# Allegro board C000PD020-3399PRO-DMEB-A-A01.brd (continued)
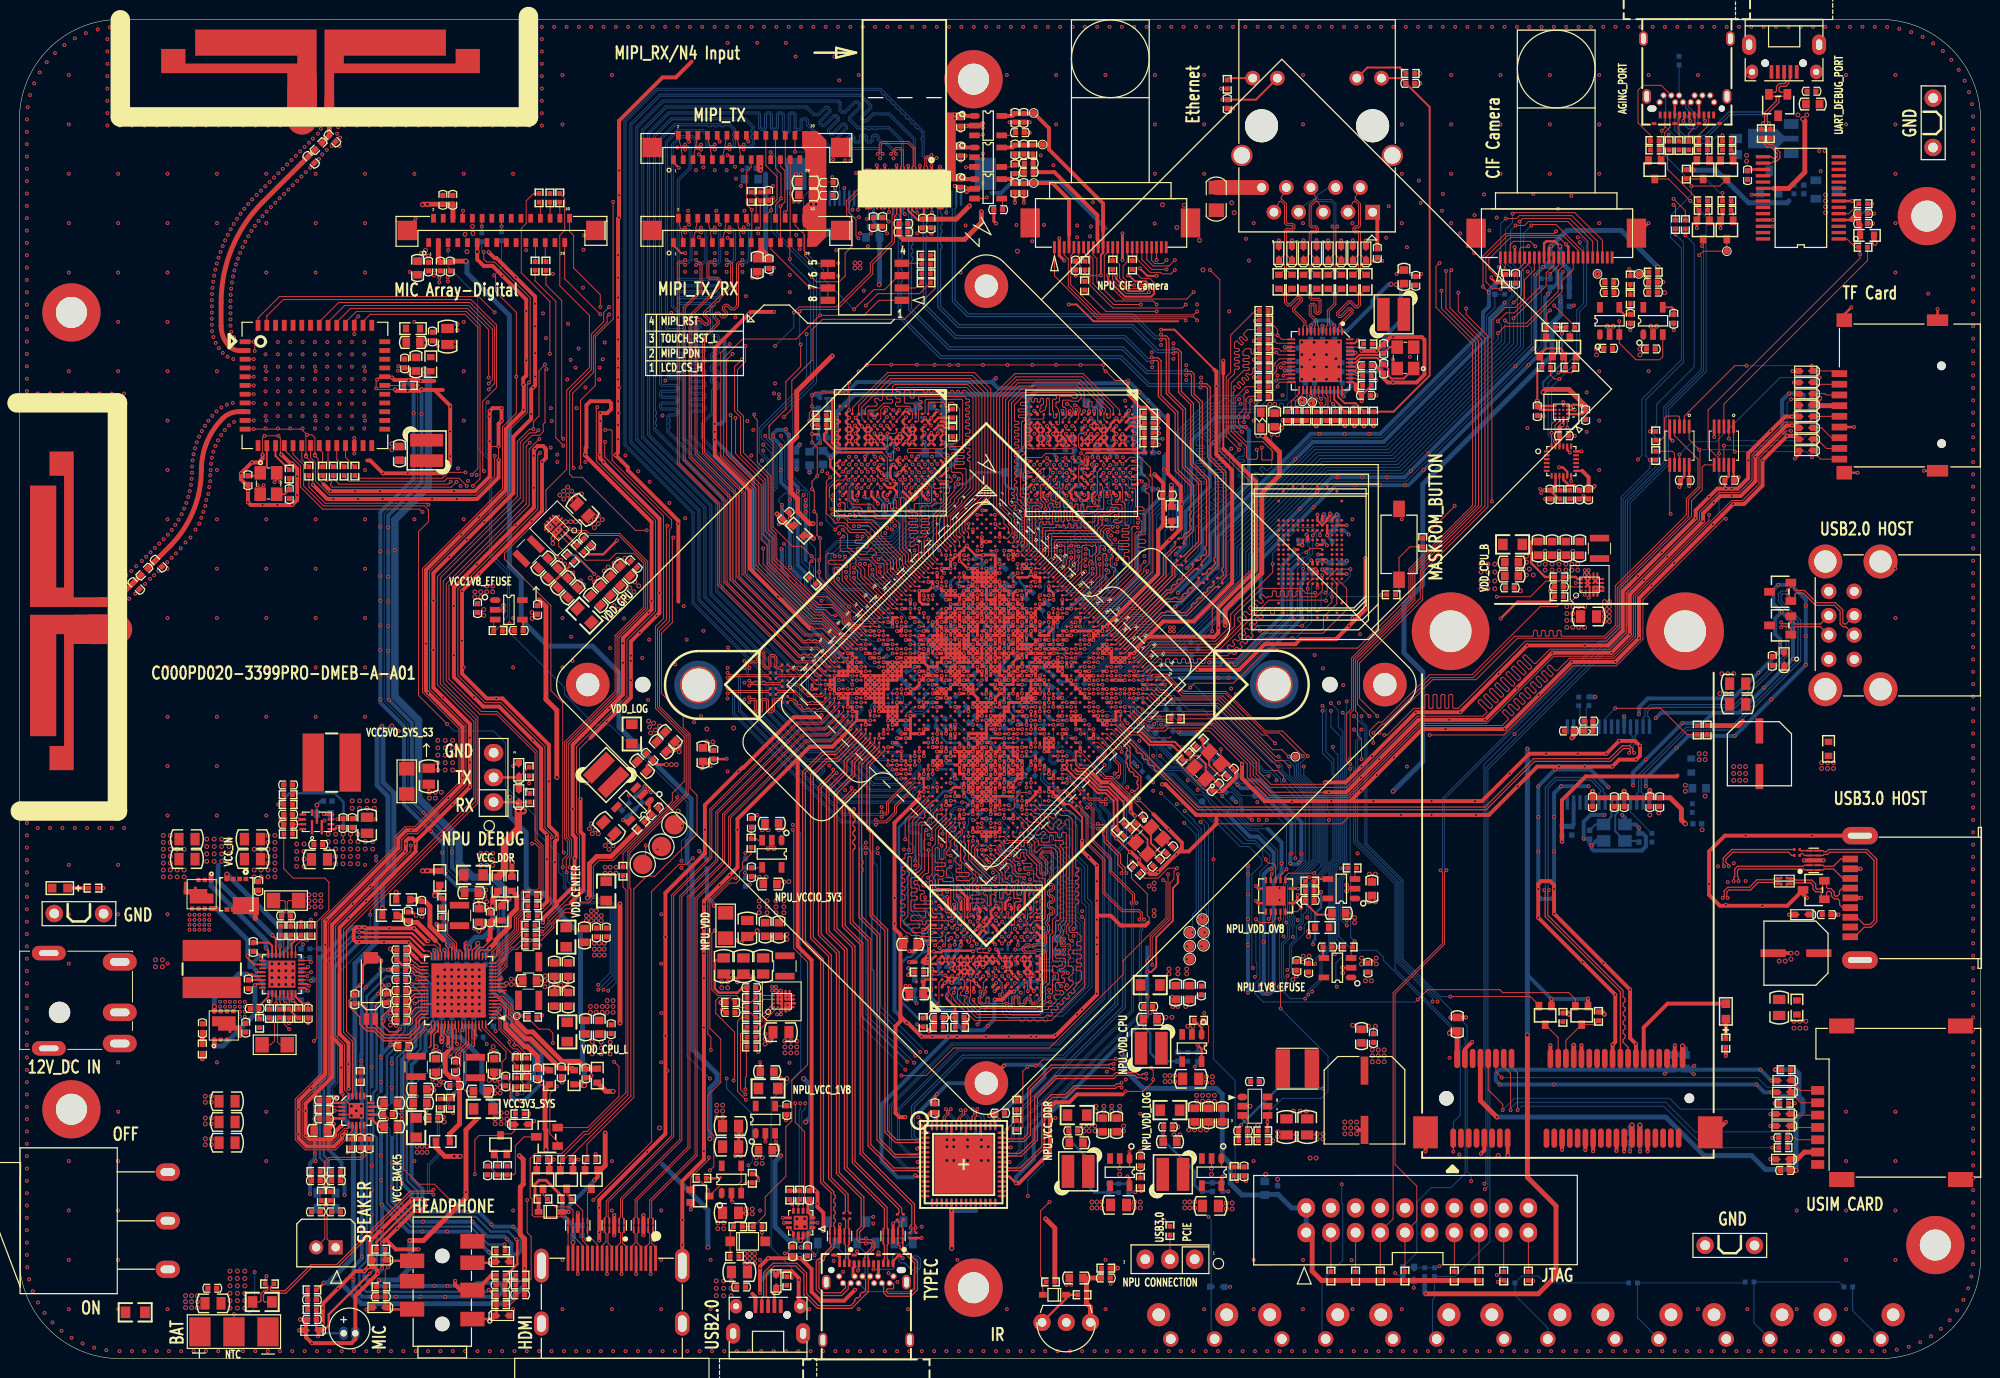
[diagram p0: board, top side]
## Footprints (pads in the part's own frame, mm; a bottom-side part is the same pattern mirrored in y, then rotated) (continued)
  round 0.3 smd: A1(-12.675,-12.675) A2(-12.675,-12.025) A3(-12.675,-11.375) A4(-12.675,-10.725) A5(-12.675,-10.075) A6(-12.675,-9.425) A7(-12.675,-8.775) A8(-12.675,-8.125) A9(-12.675,-7.475) A10(-12.675,-6.825) A11(-12.675,-6.175) A12(-12.675,-5.525) A13(-12.675,-4.875) A14(-12.675,-4.225) A15(-12.675,-3.575) A16(-12.675,-2.925) A17(-12.675,-2.275) A18(-12.675,-1.625) A19(-12.675,-0.975) A20(-12.675,-0.325) A21(-12.675,0.325) A22(-12.675,0.975) A23(-12.675,1.625) A24(-12.675,2.275) A25(-12.675,2.925) A26(-12.675,3.575) A27(-12.675,4.225) A28(-12.675,4.875) A29(-12.675,5.525) A30(-12.675,6.175) A31(-12.675,6.825) A32(-12.675,7.475) A33(-12.675,8.125) A34(-12.675,8.775) A35(-12.675,9.425) A36(-12.675,10.075) A37(-12.675,10.725) A38(-12.675,11.375) A39(-12.675,12.025) A40(-12.675,12.675) AA1(0.325,-12.675) AA2(0.325,-12.025) AA3(0.325,-11.375) AA4(0.325,-10.725) AA5(0.325,-10.075) AA6(0.325,-9.425) AA7(0.325,-8.775) AA8(0.325,-8.125) AA9(0.325,-7.475) AA10(0.325,-6.825) AA11(0.325,-6.175) AA12(0.325,-5.525) AA13(0.325,-4.875) AA14(0.325,-4.225) AA15(0.325,-3.575) AA16(0.325,-2.925) AA17(0.325,-2.275) AA18(0.325,-1.625) AA19(0.325,-0.975) AA20(0.325,-0.325) AA21(0.325,0.325) AA22(0.325,0.975) AA23(0.325,1.625) AA24(0.325,2.275) AA25(0.325,2.925) AA26(0.325,3.575) AA27(0.325,4.225) AA28(0.325,4.875) AA29(0.325,5.525) AA30(0.325,6.175) AA31(0.325,6.825) AA32(0.325,7.475) AA33(0.325,8.125) AA34(0.325,8.775) AA35(0.325,9.425) AA36(0.325,10.075) AA37(0.325,10.725) AA38(0.325,11.375) AA39(0.325,12.025) AA40(0.325,12.675) AB1(0.975,-12.675) AB2(0.975,-12.025) AB8(0.975,-8.125) AB9(0.975,-7.475) AB10(0.975,-6.825) AB11(0.975,-6.175) AB12(0.975,-5.525) AB13(0.975,-4.875) AB14(0.975,-4.225) AB15(0.975,-3.575) AB16(0.975,-2.925) AB17(0.975,-2.275) AB18(0.975,-1.625) AB19(0.975,-0.975) AB20(0.975,-0.325) AB21(0.975,0.325) AB22(0.975,0.975) AB23(0.975,1.625) AB24(0.975,2.275) AB26(0.975,3.575) AB27(0.975,4.225) AB29(0.975,5.525) AB30(0.975,6.175) AB32(0.975,7.475) AB33(0.975,8.125) AB39(0.975,12.025) AB40(0.975,12.675) AC1(1.625,-12.675) AC2(1.625,-12.025) AC3(1.625,-11.375) AC4(1.625,-10.725) AC5(1.625,-10.075) AC6(1.625,-9.425) AC7(1.625,-8.775) AC8(1.625,-8.125) AC9(1.625,-7.475) AC10(1.625,-6.825) AC11(1.625,-6.175) AC12(1.625,-5.525) AC13(1.625,-4.875) AC14(1.625,-4.225) AC15(1.625,-3.575) AC16(1.625,-2.925) AC17(1.625,-2.275) AC18(1.625,-1.625) AC19(1.625,-0.975) AC20(1.625,-0.325) AC21(1.625,0.325) AC22(1.625,0.975) AC23(1.625,1.625) AC24(1.625,2.275) AC25(1.625,2.925) AC26(1.625,3.575) AC27(1.625,4.225) AC28(1.625,4.875) AC29(1.625,5.525) AC30(1.625,6.175) AC31(1.625,6.825) AC32(1.625,7.475) AC33(1.625,8.125) AC34(1.625,8.775) AC35(1.625,9.425) AC36(1.625,10.075) AC37(1.625,10.725) AC38(1.625,11.375) AC39(1.625,12.025) AC40(1.625,12.675) AD1(2.275,-12.675) AD2(2.275,-12.025) AD3(2.275,-11.375) AD4(2.275,-10.725) AD5(2.275,-10.075) AD6(2.275,-9.425) AD7(2.275,-8.775) AD8(2.275,-8.125) AD9(2.275,-7.475) AD10(2.275,-6.825) AD11(2.275,-6.175) AD12(2.275,-5.525) AD13(2.275,-4.875) AD14(2.275,-4.225) AD15(2.275,-3.575) AD16(2.275,-2.925) AD17(2.275,-2.275) AD18(2.275,-1.625) AD19(2.275,-0.975) AD20(2.275,-0.325) AD21(2.275,0.325) AD22(2.275,0.975) AD23(2.275,1.625) AD24(2.275,2.275) AD25(2.275,2.925) AD26(2.275,3.575) AD27(2.275,4.225) AD28(2.275,4.875) AD29(2.275,5.525) AD30(2.275,6.175) AD31(2.275,6.825) AD32(2.275,7.475) AD33(2.275,8.125) AD34(2.275,8.775) AD35(2.275,9.425) AD36(2.275,10.075) AD37(2.275,10.725) AD38(2.275,11.375) AD39(2.275,12.025) AD40(2.275,12.675) AE1(2.925,-12.675) AE2(2.925,-12.025) AE8(2.925,-8.125) AE9(2.925,-7.475) AE11(2.925,-6.175) AE12(2.925,-5.525) AE14(2.925,-4.225) AE15(2.925,-3.575) AE17(2.925,-2.275) AE18(2.925,-1.625) AE20(2.925,-0.325) AE21(2.925,0.325) AE23(2.925,1.625) AE24(2.925,2.275) AE26(2.925,3.575) AE27(2.925,4.225) AE29(2.925,5.525) AE30(2.925,6.175) AE32(2.925,7.475) AE33(2.925,8.125) AE39(2.925,12.025) AE40(2.925,12.675) AF1(3.575,-12.675) AF2(3.575,-12.025) AF3(3.575,-11.375) AF4(3.575,-10.725) AF5(3.575,-10.075) AF6(3.575,-9.425) AF7(3.575,-8.775) AF8(3.575,-8.125) AF9(3.575,-7.475) AF10(3.575,-6.825) AF11(3.575,-6.175) AF12(3.575,-5.525) AF13(3.575,-4.875) AF14(3.575,-4.225) AF15(3.575,-3.575) AF16(3.575,-2.925) AF17(3.575,-2.275) AF18(3.575,-1.625) AF19(3.575,-0.975) AF20(3.575,-0.325) AF21(3.575,0.325) AF22(3.575,0.975) AF23(3.575,1.625) AF24(3.575,2.275) AF25(3.575,2.925) AF26(3.575,3.575) AF27(3.575,4.225) AF28(3.575,4.875) AF29(3.575,5.525) AF30(3.575,6.175) AF31(3.575,6.825) AF32(3.575,7.475) AF33(3.575,8.125) AF34(3.575,8.775) AF35(3.575,9.425) AF36(3.575,10.075) AF37(3.575,10.725) AF38(3.575,11.375) AF39(3.575,12.025) AF40(3.575,12.675) AG1(4.225,-12.675) AG2(4.225,-12.025) AG3(4.225,-11.375) AG4(4.225,-10.725) AG5(4.225,-10.075) AG6(4.225,-9.425) AG7(4.225,-8.775) AG8(4.225,-8.125) AG9(4.225,-7.475) AG10(4.225,-6.825) AG11(4.225,-6.175) AG12(4.225,-5.525) AG13(4.225,-4.875) AG14(4.225,-4.225) AG15(4.225,-3.575) AG16(4.225,-2.925) AG17(4.225,-2.275) AG18(4.225,-1.625) AG19(4.225,-0.975) AG20(4.225,-0.325) AG21(4.225,0.325) AG22(4.225,0.975) AG23(4.225,1.625) AG24(4.225,2.275) AG25(4.225,2.925) AG26(4.225,3.575) AG27(4.225,4.225) AG28(4.225,4.875) AG29(4.225,5.525) AG30(4.225,6.175) AG31(4.225,6.825) AG32(4.225,7.475) AG33(4.225,8.125) AG34(4.225,8.775) AG35(4.225,9.425) AG36(4.225,10.075) AG37(4.225,10.725) AG38(4.225,11.375) AG39(4.225,12.025) AG40(4.225,12.675) AH1(4.875,-12.675) AH2(4.875,-12.025) AH8(4.875,-8.125) AH9(4.875,-7.475) AH11(4.875,-6.175) AH12(4.875,-5.525) AH14(4.875,-4.225) AH15(4.875,-3.575) AH17(4.875,-2.275) AH18(4.875,-1.625) AH20(4.875,-0.325) AH21(4.875,0.325) AH23(4.875,1.625) AH24(4.875,2.275) AH26(4.875,3.575) AH27(4.875,4.225) AH28(4.875,4.875) AH29(4.875,5.525) AH30(4.875,6.175) AH31(4.875,6.825) AH32(4.875,7.475) AH33(4.875,8.125) AH39(4.875,12.025) AH40(4.875,12.675) AJ1(5.525,-12.675) AJ2(5.525,-12.025) AJ3(5.525,-11.375) AJ4(5.525,-10.725) AJ5(5.525,-10.075) AJ6(5.525,-9.425) AJ7(5.525,-8.775) AJ8(5.525,-8.125) AJ9(5.525,-7.475) AJ10(5.525,-6.825) AJ11(5.525,-6.175) AJ12(5.525,-5.525) AJ13(5.525,-4.875) AJ14(5.525,-4.225) AJ15(5.525,-3.575) AJ16(5.525,-2.925) AJ17(5.525,-2.275) AJ18(5.525,-1.625) AJ19(5.525,-0.975) AJ20(5.525,-0.325) AJ21(5.525,0.325) AJ22(5.525,0.975) AJ23(5.525,1.625) AJ24(5.525,2.275) AJ25(5.525,2.925) AJ26(5.525,3.575) AJ27(5.525,4.225) AJ28(5.525,4.875) AJ29(5.525,5.525) AJ30(5.525,6.175) AJ31(5.525,6.825) AJ32(5.525,7.475) AJ33(5.525,8.125) AJ34(5.525,8.775) AJ35(5.525,9.425) AJ36(5.525,10.075) AJ37(5.525,10.725) AJ38(5.525,11.375) AJ39(5.525,12.025) AJ40(5.525,12.675) AK1(6.175,-12.675) AK2(6.175,-12.025) AK3(6.175,-11.375) AK4(6.175,-10.725) AK5(6.175,-10.075) AK6(6.175,-9.425) AK7(6.175,-8.775) AK8(6.175,-8.125) AK9(6.175,-7.475) AK10(6.175,-6.825) AK11(6.175,-6.175) AK12(6.175,-5.525) AK13(6.175,-4.875) AK14(6.175,-4.225) AK15(6.175,-3.575) AK16(6.175,-2.925) AK17(6.175,-2.275) AK18(6.175,-1.625) AK19(6.175,-0.975) AK20(6.175,-0.325) AK21(6.175,0.325) AK22(6.175,0.975) AK23(6.175,1.625) AK24(6.175,2.275) AK25(6.175,2.925) AK26(6.175,3.575) AK27(6.175,4.225) AK28(6.175,4.875) AK29(6.175,5.525) AK30(6.175,6.175) AK31(6.175,6.825) AK32(6.175,7.475) AK33(6.175,8.125) AK34(6.175,8.775) AK35(6.175,9.425) AK36(6.175,10.075) AK37(6.175,10.725) AK38(6.175,11.375) AK39(6.175,12.025) AK40(6.175,12.675) AL1(6.825,-12.675) AL2(6.825,-12.025) AL8(6.825,-8.125) AL9(6.825,-7.475) AL11(6.825,-6.175) AL12(6.825,-5.525) AL14(6.825,-4.225) AL15(6.825,-3.575) AL17(6.825,-2.275) AL18(6.825,-1.625) AL20(6.825,-0.325) AL21(6.825,0.325) AL23(6.825,1.625) AL24(6.825,2.275) AL26(6.825,3.575) AL27(6.825,4.225) AL28(6.825,4.875) AL29(6.825,5.525) AL30(6.825,6.175) AL31(6.825,6.825) AL32(6.825,7.475) AL33(6.825,8.125) AL39(6.825,12.025) AL40(6.825,12.675) AM1(7.475,-12.675) AM2(7.475,-12.025) AM3(7.475,-11.375) AM4(7.475,-10.725) AM5(7.475,-10.075) AM6(7.475,-9.425) AM7(7.475,-8.775) AM8(7.475,-8.125) AM9(7.475,-7.475) AM10(7.475,-6.825) AM11(7.475,-6.175) AM12(7.475,-5.525) AM13(7.475,-4.875) AM14(7.475,-4.225) AM15(7.475,-3.575) AM16(7.475,-2.925) AM17(7.475,-2.275) AM18(7.475,-1.625) AM19(7.475,-0.975) AM20(7.475,-0.325) AM21(7.475,0.325) AM22(7.475,0.975) AM23(7.475,1.625) AM24(7.475,2.275) AM25(7.475,2.925) AM26(7.475,3.575) AM27(7.475,4.225) AM28(7.475,4.875) AM29(7.475,5.525) AM30(7.475,6.175) AM31(7.475,6.825) AM32(7.475,7.475) AM33(7.475,8.125) AM34(7.475,8.775) AM35(7.475,9.425) AM36(7.475,10.075) AM37(7.475,10.725) AM38(7.475,11.375) AM39(7.475,12.025) AM40(7.475,12.675) AN1(8.125,-12.675) AN2(8.125,-12.025) AN3(8.125,-11.375) AN4(8.125,-10.725) AN5(8.125,-10.075) AN6(8.125,-9.425) AN7(8.125,-8.775) AN8(8.125,-8.125) AN9(8.125,-7.475) AN10(8.125,-6.825) AN11(8.125,-6.175) AN12(8.125,-5.525) AN13(8.125,-4.875) AN14(8.125,-4.225) AN15(8.125,-3.575) AN16(8.125,-2.925) AN17(8.125,-2.275) AN18(8.125,-1.625) AN19(8.125,-0.975) AN20(8.125,-0.325) AN21(8.125,0.325) AN22(8.125,0.975) AN23(8.125,1.625) AN24(8.125,2.275) AN25(8.125,2.925) AN26(8.125,3.575) AN27(8.125,4.225) AN28(8.125,4.875) AN29(8.125,5.525) AN30(8.125,6.175) AN31(8.125,6.825) AN32(8.125,7.475) AN33(8.125,8.125) AN34(8.125,8.775) AN35(8.125,9.425) AN36(8.125,10.075) AN37(8.125,10.725) AN38(8.125,11.375) AN39(8.125,12.025) AN40(8.125,12.675) AP1(8.775,-12.675) AP2(8.775,-12.025) AP5(8.775,-10.075) AP6(8.775,-9.425) AP8(8.775,-8.125) AP9(8.775,-7.475) AP11(8.775,-6.175) AP12(8.775,-5.525) AP14(8.775,-4.225) AP15(8.775,-3.575) AP17(8.775,-2.275) AP18(8.775,-1.625) AP20(8.775,-0.325) AP21(8.775,0.325) AP23(8.775,1.625) AP24(8.775,2.275) AP26(8.775,3.575) AP27(8.775,4.225) AP29(8.775,5.525) AP30(8.775,6.175) AP32(8.775,7.475) AP33(8.775,8.125) AP35(8.775,9.425) AP36(8.775,10.075) AP39(8.775,12.025) AP40(8.775,12.675) AR1(9.425,-12.675) AR2(9.425,-12.025) AR3(9.425,-11.375) AR4(9.425,-10.725) AR5(9.425,-10.075) AR7(9.425,-8.775) AR8(9.425,-8.125) AR9(9.425,-7.475) AR11(9.425,-6.175) AR12(9.425,-5.525) AR14(9.425,-4.225) AR15(9.425,-3.575) AR17(9.425,-2.275) AR18(9.425,-1.625) AR20(9.425,-0.325) AR21(9.425,0.325) AR23(9.425,1.625) AR24(9.425,2.275) AR26(9.425,3.575) AR27(9.425,4.225) AR29(9.425,5.525) AR30(9.425,6.175) AR32(9.425,7.475) AR33(9.425,8.125) AR34(9.425,8.775) AR36(9.425,10.075) AR37(9.425,10.725) AR38(9.425,11.375) AR39(9.425,12.025) AR40(9.425,12.675) AT1(10.075,-12.675) AT2(10.075,-12.025) AT3(10.075,-11.375) AT4(10.075,-10.725) AT6(10.075,-9.425) AT7(10.075,-8.775) AT8(10.075,-8.125) AT9(10.075,-7.475) AT11(10.075,-6.175) AT12(10.075,-5.525) AT14(10.075,-4.225) AT15(10.075,-3.575) AT17(10.075,-2.275) AT18(10.075,-1.625) AT20(10.075,-0.325) AT21(10.075,0.325) AT23(10.075,1.625) AT24(10.075,2.275) AT26(10.075,3.575) AT27(10.075,4.225) AT29(10.075,5.525) AT30(10.075,6.175) AT32(10.075,7.475) AT33(10.075,8.125) AT34(10.075,8.775) AT35(10.075,9.425) AT37(10.075,10.725) AT38(10.075,11.375) AT39(10.075,12.025) AT40(10.075,12.675) AU1(10.725,-12.675) AU2(10.725,-12.025) AU3(10.725,-11.375) AU5(10.725,-10.075) AU6(10.725,-9.425) AU8(10.725,-8.125) AU9(10.725,-7.475) AU11(10.725,-6.175) AU12(10.725,-5.525) AU14(10.725,-4.225) AU15(10.725,-3.575) AU17(10.725,-2.275) AU18(10.725,-1.625) AU20(10.725,-0.325) AU21(10.725,0.325) AU23(10.725,1.625) AU24(10.725,2.275) AU26(10.725,3.575) AU27(10.725,4.225) AU29(10.725,5.525) AU30(10.725,6.175) AU32(10.725,7.475) AU33(10.725,8.125) AU35(10.725,9.425) AU36(10.725,10.075) AU38(10.725,11.375) AU39(10.725,12.025) AU40(10.725,12.675) AV1(11.375,-12.675) AV2(11.375,-12.025) AV3(11.375,-11.375) AV4(11.375,-10.725) AV5(11.375,-10.075) AV6(11.375,-9.425) AV8(11.375,-8.125) AV9(11.375,-7.475) AV11(11.375,-6.175) AV12(11.375,-5.525) AV14(11.375,-4.225) AV15(11.375,-3.575) AV17(11.375,-2.275) AV18(11.375,-1.625) AV20(11.375,-0.325) AV21(11.375,0.325) AV23(11.375,1.625) AV24(11.375,2.275) AV26(11.375,3.575) AV27(11.375,4.225) AV29(11.375,5.525) AV30(11.375,6.175) AV32(11.375,7.475) AV33(11.375,8.125) AV35(11.375,9.425) AV36(11.375,10.075) AV37(11.375,10.725) AV38(11.375,11.375) AV39(11.375,12.025) AV40(11.375,12.675) AW1(12.025,-12.675) AW2(12.025,-12.025) AW3(12.025,-11.375) AW4(12.025,-10.725) AW5(12.025,-10.075) AW6(12.025,-9.425) AW7(12.025,-8.775) AW8(12.025,-8.125) AW9(12.025,-7.475) AW10(12.025,-6.825) AW11(12.025,-6.175) AW12(12.025,-5.525) AW13(12.025,-4.875) AW14(12.025,-4.225) AW15(12.025,-3.575) AW16(12.025,-2.925) AW17(12.025,-2.275) AW18(12.025,-1.625) AW19(12.025,-0.975) AW20(12.025,-0.325) AW21(12.025,0.325) AW22(12.025,0.975) AW23(12.025,1.625) AW24(12.025,2.275) AW25(12.025,2.925) AW26(12.025,3.575) AW27(12.025,4.225) AW28(12.025,4.875) AW29(12.025,5.525) AW30(12.025,6.175) AW31(12.025,6.825) AW32(12.025,7.475) AW33(12.025,8.125) AW34(12.025,8.775) AW35(12.025,9.425) AW36(12.025,10.075) AW37(12.025,10.725) AW38(12.025,11.375) AW39(12.025,12.025) AW40(12.025,12.675) AY1(12.675,-12.675) AY2(12.675,-12.025) AY3(12.675,-11.375) AY4(12.675,-10.725) AY5(12.675,-10.075) AY6(12.675,-9.425) AY7(12.675,-8.775) AY8(12.675,-8.125) AY9(12.675,-7.475) AY10(12.675,-6.825) AY11(12.675,-6.175) AY12(12.675,-5.525) AY13(12.675,-4.875) AY14(12.675,-4.225) AY15(12.675,-3.575) AY16(12.675,-2.925) AY17(12.675,-2.275) AY18(12.675,-1.625) AY19(12.675,-0.975) AY20(12.675,-0.325) AY21(12.675,0.325) AY22(12.675,0.975) AY23(12.675,1.625) AY24(12.675,2.275) AY25(12.675,2.925) AY26(12.675,3.575) AY27(12.675,4.225) AY28(12.675,4.875) AY29(12.675,5.525) AY30(12.675,6.175) AY31(12.675,6.825) AY32(12.675,7.475) AY33(12.675,8.125) AY34(12.675,8.775) AY35(12.675,9.425) AY36(12.675,10.075) AY37(12.675,10.725) AY38(12.675,11.375) AY39(12.675,12.025) AY40(12.675,12.675) B1(-12.025,-12.675) B2(-12.025,-12.025) B3(-12.025,-11.375) B4(-12.025,-10.725) B5(-12.025,-10.075) B6(-12.025,-9.425) B7(-12.025,-8.775) B8(-12.025,-8.125) B9(-12.025,-7.475) B10(-12.025,-6.825) B11(-12.025,-6.175) B12(-12.025,-5.525) B13(-12.025,-4.875) B14(-12.025,-4.225) B15(-12.025,-3.575) B16(-12.025,-2.925) B17(-12.025,-2.275) B18(-12.025,-1.625) B19(-12.025,-0.975) B20(-12.025,-0.325) B21(-12.025,0.325) B22(-12.025,0.975) B23(-12.025,1.625) B24(-12.025,2.275) B25(-12.025,2.925) B26(-12.025,3.575) B27(-12.025,4.225) B28(-12.025,4.875) B29(-12.025,5.525) B30(-12.025,6.175) B31(-12.025,6.825) B32(-12.025,7.475) B33(-12.025,8.125) B34(-12.025,8.775) B35(-12.025,9.425) B36(-12.025,10.075) B37(-12.025,10.725) B38(-12.025,11.375) B39(-12.025,12.025) B40(-12.025,12.675) C1(-11.375,-12.675) C2(-11.375,-12.025) C3(-11.375,-11.375) C4(-11.375,-10.725) C5(-11.375,-10.075) C6(-11.375,-9.425) C8(-11.375,-8.125) C9(-11.375,-7.475) C11(-11.375,-6.175) C12(-11.375,-5.525) C14(-11.375,-4.225) C15(-11.375,-3.575) C17(-11.375,-2.275) C18(-11.375,-1.625) C20(-11.375,-0.325) C21(-11.375,0.325) C23(-11.375,1.625) C24(-11.375,2.275) C26(-11.375,3.575) C27(-11.375,4.225) C29(-11.375,5.525) C30(-11.375,6.175) C32(-11.375,7.475) C33(-11.375,8.125) C35(-11.375,9.425) C36(-11.375,10.075) C37(-11.375,10.725) C38(-11.375,11.375) C39(-11.375,12.025) C40(-11.375,12.675) D1(-10.725,-12.675) D2(-10.725,-12.025) D3(-10.725,-11.375) D5(-10.725,-10.075) D6(-10.725,-9.425) D8(-10.725,-8.125) D9(-10.725,-7.475) D11(-10.725,-6.175) D12(-10.725,-5.525) D14(-10.725,-4.225) D15(-10.725,-3.575) D17(-10.725,-2.275) D18(-10.725,-1.625) D20(-10.725,-0.325) D21(-10.725,0.325) D23(-10.725,1.625) D24(-10.725,2.275) D26(-10.725,3.575) D27(-10.725,4.225) D29(-10.725,5.525) D30(-10.725,6.175) D32(-10.725,7.475) D33(-10.725,8.125) D35(-10.725,9.425) D36(-10.725,10.075) D38(-10.725,11.375) D39(-10.725,12.025) D40(-10.725,12.675) E1(-10.075,-12.675) E2(-10.075,-12.025) E3(-10.075,-11.375) E4(-10.075,-10.725) E6(-10.075,-9.425) E7(-10.075,-8.775) E8(-10.075,-8.125) E9(-10.075,-7.475) E11(-10.075,-6.175) E12(-10.075,-5.525) E14(-10.075,-4.225) E15(-10.075,-3.575) E17(-10.075,-2.275) E18(-10.075,-1.625) E20(-10.075,-0.325) E21(-10.075,0.325) E23(-10.075,1.625) E24(-10.075,2.275) E26(-10.075,3.575) E27(-10.075,4.225) E29(-10.075,5.525) E30(-10.075,6.175) E32(-10.075,7.475) E33(-10.075,8.125) E34(-10.075,8.775) E35(-10.075,9.425) E37(-10.075,10.725) E38(-10.075,11.375) E39(-10.075,12.025) E40(-10.075,12.675) F1(-9.425,-12.675) F2(-9.425,-12.025) F3(-9.425,-11.375) F4(-9.425,-10.725) F5(-9.425,-10.075) F7(-9.425,-8.775) F8(-9.425,-8.125) F9(-9.425,-7.475) F11(-9.425,-6.175) F12(-9.425,-5.525) F14(-9.425,-4.225) F15(-9.425,-3.575) F17(-9.425,-2.275) F18(-9.425,-1.625) F20(-9.425,-0.325) F21(-9.425,0.325) F23(-9.425,1.625) F24(-9.425,2.275) F26(-9.425,3.575) F27(-9.425,4.225) F29(-9.425,5.525) F30(-9.425,6.175) F32(-9.425,7.475) F33(-9.425,8.125) F34(-9.425,8.775) F36(-9.425,10.075) F37(-9.425,10.725) F38(-9.425,11.375) F39(-9.425,12.025) F40(-9.425,12.675) G1(-8.775,-12.675) G2(-8.775,-12.025) G5(-8.775,-10.075) G6(-8.775,-9.425) G8(-8.775,-8.125) G9(-8.775,-7.475) G11(-8.775,-6.175) G12(-8.775,-5.525) G14(-8.775,-4.225) G15(-8.775,-3.575) G17(-8.775,-2.275) G18(-8.775,-1.625) G20(-8.775,-0.325) G21(-8.775,0.325) G23(-8.775,1.625) G24(-8.775,2.275) G26(-8.775,3.575) G27(-8.775,4.225) G29(-8.775,5.525) G30(-8.775,6.175) G32(-8.775,7.475) G33(-8.775,8.125) G35(-8.775,9.425) G36(-8.775,10.075) G39(-8.775,12.025) G40(-8.775,12.675) H1(-8.125,-12.675) H2(-8.125,-12.025) H3(-8.125,-11.375) H4(-8.125,-10.725) H5(-8.125,-10.075) H6(-8.125,-9.425) H7(-8.125,-8.775) H9(-8.125,-7.475) H10(-8.125,-6.825) H11(-8.125,-6.175) H12(-8.125,-5.525) H13(-8.125,-4.875) H14(-8.125,-4.225) H15(-8.125,-3.575) H16(-8.125,-2.925) H17(-8.125,-2.275) H18(-8.125,-1.625) H19(-8.125,-0.975) H20(-8.125,-0.325) H21(-8.125,0.325) H22(-8.125,0.975) H23(-8.125,1.625) H24(-8.125,2.275) H25(-8.125,2.925) H26(-8.125,3.575) H27(-8.125,4.225) H28(-8.125,4.875) H29(-8.125,5.525) H30(-8.125,6.175) H31(-8.125,6.825) H32(-8.125,7.475) H33(-8.125,8.125) H34(-8.125,8.775) H35(-8.125,9.425) H36(-8.125,10.075) H37(-8.125,10.725) H38(-8.125,11.375) H39(-8.125,12.025) H40(-8.125,12.675) J1(-7.475,-12.675) J2(-7.475,-12.025) J3(-7.475,-11.375) J4(-7.475,-10.725) J5(-7.475,-10.075) J6(-7.475,-9.425) J7(-7.475,-8.775) J8(-7.475,-8.125) J9(-7.475,-7.475) J10(-7.475,-6.825) J11(-7.475,-6.175) J12(-7.475,-5.525) J13(-7.475,-4.875) J14(-7.475,-4.225) J15(-7.475,-3.575) J16(-7.475,-2.925) J17(-7.475,-2.275) J18(-7.475,-1.625) J19(-7.475,-0.975) J20(-7.475,-0.325) J21(-7.475,0.325) J22(-7.475,0.975) J23(-7.475,1.625) J24(-7.475,2.275) J25(-7.475,2.925) J26(-7.475,3.575) J27(-7.475,4.225) J28(-7.475,4.875) J29(-7.475,5.525) J30(-7.475,6.175) J31(-7.475,6.825) J32(-7.475,7.475) J33(-7.475,8.125) J34(-7.475,8.775) J35(-7.475,9.425) J36(-7.475,10.075) J37(-7.475,10.725) J38(-7.475,11.375) J39(-7.475,12.025) J40(-7.475,12.675) K1(-6.825,-12.675) K2(-6.825,-12.025) K8(-6.825,-8.125) K9(-6.825,-7.475) K10(-6.825,-6.825) K11(-6.825,-6.175) K12(-6.825,-5.525) K13(-6.825,-4.875) K14(-6.825,-4.225) K15(-6.825,-3.575) K16(-6.825,-2.925) K17(-6.825,-2.275) K18(-6.825,-1.625) K19(-6.825,-0.975) K20(-6.825,-0.325) K21(-6.825,0.325) K22(-6.825,0.975) K23(-6.825,1.625) K24(-6.825,2.275) K26(-6.825,3.575) K27(-6.825,4.225) K29(-6.825,5.525) K30(-6.825,6.175) K32(-6.825,7.475) K33(-6.825,8.125) K39(-6.825,12.025) K40(-6.825,12.675) L1(-6.175,-12.675) L2(-6.175,-12.025) L3(-6.175,-11.375) L4(-6.175,-10.725) L5(-6.175,-10.075) L6(-6.175,-9.425) L7(-6.175,-8.775) L8(-6.175,-8.125) L9(-6.175,-7.475) L10(-6.175,-6.825) L11(-6.175,-6.175) L12(-6.175,-5.525) L13(-6.175,-4.875) L14(-6.175,-4.225) L15(-6.175,-3.575) L16(-6.175,-2.925) L17(-6.175,-2.275) L18(-6.175,-1.625) L19(-6.175,-0.975) L20(-6.175,-0.325) L21(-6.175,0.325) L22(-6.175,0.975) L23(-6.175,1.625) L24(-6.175,2.275) L25(-6.175,2.925) L26(-6.175,3.575) L27(-6.175,4.225) L28(-6.175,4.875) L29(-6.175,5.525) L30(-6.175,6.175) L31(-6.175,6.825) L32(-6.175,7.475) L33(-6.175,8.125) L34(-6.175,8.775) L35(-6.175,9.425) L36(-6.175,10.075) L37(-6.175,10.725) L38(-6.175,11.375) L39(-6.175,12.025) L40(-6.175,12.675) M1(-5.525,-12.675) M2(-5.525,-12.025) M3(-5.525,-11.375) M4(-5.525,-10.725) M5(-5.525,-10.075) M6(-5.525,-9.425) M7(-5.525,-8.775) M8(-5.525,-8.125) M9(-5.525,-7.475) M10(-5.525,-6.825) M11(-5.525,-6.175) M12(-5.525,-5.525) M13(-5.525,-4.875) M14(-5.525,-4.225) M15(-5.525,-3.575) M16(-5.525,-2.925) M17(-5.525,-2.275) M18(-5.525,-1.625) M19(-5.525,-0.975) M20(-5.525,-0.325) M21(-5.525,0.325) M22(-5.525,0.975) M23(-5.525,1.625) M24(-5.525,2.275) M25(-5.525,2.925) M26(-5.525,3.575) M27(-5.525,4.225) M28(-5.525,4.875) M29(-5.525,5.525) M30(-5.525,6.175) M31(-5.525,6.825) M32(-5.525,7.475) M33(-5.525,8.125) M34(-5.525,8.775) M35(-5.525,9.425) M36(-5.525,10.075) M37(-5.525,10.725) M38(-5.525,11.375) M39(-5.525,12.025) M40(-5.525,12.675) N1(-4.875,-12.675) N2(-4.875,-12.025) N8(-4.875,-8.125) N9(-4.875,-7.475) N10(-4.875,-6.825) N11(-4.875,-6.175) N12(-4.875,-5.525) N13(-4.875,-4.875) N14(-4.875,-4.225) N15(-4.875,-3.575) N16(-4.875,-2.925) N17(-4.875,-2.275) N18(-4.875,-1.625) N19(-4.875,-0.975) N20(-4.875,-0.325) N21(-4.875,0.325) N22(-4.875,0.975) N23(-4.875,1.625) N24(-4.875,2.275) N26(-4.875,3.575) N27(-4.875,4.225) N29(-4.875,5.525) N30(-4.875,6.175) N32(-4.875,7.475) N33(-4.875,8.125) N39(-4.875,12.025) N40(-4.875,12.675) P1(-4.225,-12.675) P2(-4.225,-12.025) P3(-4.225,-11.375) P4(-4.225,-10.725) P5(-4.225,-10.075) P6(-4.225,-9.425) P7(-4.225,-8.775) P8(-4.225,-8.125) P9(-4.225,-7.475) P10(-4.225,-6.825) P11(-4.225,-6.175) P12(-4.225,-5.525) P13(-4.225,-4.875) P14(-4.225,-4.225) P15(-4.225,-3.575) P16(-4.225,-2.925) P17(-4.225,-2.275) P18(-4.225,-1.625) P19(-4.225,-0.975) P20(-4.225,-0.325) P21(-4.225,0.325) P22(-4.225,0.975) P23(-4.225,1.625) P24(-4.225,2.275) P25(-4.225,2.925) P26(-4.225,3.575) P27(-4.225,4.225) P28(-4.225,4.875) P29(-4.225,5.525) P30(-4.225,6.175) P31(-4.225,6.825) P32(-4.225,7.475) P33(-4.225,8.125) P34(-4.225,8.775) P35(-4.225,9.425) P36(-4.225,10.075) P37(-4.225,10.725) P38(-4.225,11.375) P39(-4.225,12.025) P40(-4.225,12.675) R1(-3.575,-12.675) R2(-3.575,-12.025) R3(-3.575,-11.375) R4(-3.575,-10.725) R5(-3.575,-10.075) R6(-3.575,-9.425) R7(-3.575,-8.775) R8(-3.575,-8.125) R9(-3.575,-7.475) R10(-3.575,-6.825) R11(-3.575,-6.175) R12(-3.575,-5.525) R13(-3.575,-4.875) R14(-3.575,-4.225) R15(-3.575,-3.575) R16(-3.575,-2.925) R17(-3.575,-2.275) R18(-3.575,-1.625) R19(-3.575,-0.975) R20(-3.575,-0.325) R21(-3.575,0.325) R22(-3.575,0.975) R23(-3.575,1.625) R24(-3.575,2.275) R25(-3.575,2.925) R26(-3.575,3.575) R27(-3.575,4.225) R28(-3.575,4.875) R29(-3.575,5.525) R30(-3.575,6.175) R31(-3.575,6.825) R32(-3.575,7.475) R33(-3.575,8.125) R34(-3.575,8.775) R35(-3.575,9.425) R36(-3.575,10.075) R37(-3.575,10.725) R38(-3.575,11.375) R39(-3.575,12.025) R40(-3.575,12.675) T1(-2.925,-12.675) T2(-2.925,-12.025) T8(-2.925,-8.125) T9(-2.925,-7.475) T10(-2.925,-6.825) T11(-2.925,-6.175) T12(-2.925,-5.525) T13(-2.925,-4.875) T14(-2.925,-4.225) T15(-2.925,-3.575) T16(-2.925,-2.925) T17(-2.925,-2.275) T18(-2.925,-1.625) T19(-2.925,-0.975) T20(-2.925,-0.325) T21(-2.925,0.325) T22(-2.925,0.975) T23(-2.925,1.625) T24(-2.925,2.275) T26(-2.925,3.575) T27(-2.925,4.225) T29(-2.925,5.525) T30(-2.925,6.175) T32(-2.925,7.475) T33(-2.925,8.125) T39(-2.925,12.025) T40(-2.925,12.675) U1(-2.275,-12.675) U2(-2.275,-12.025) U3(-2.275,-11.375) U4(-2.275,-10.725) U5(-2.275,-10.075) U6(-2.275,-9.425) U7(-2.275,-8.775) U8(-2.275,-8.125) U9(-2.275,-7.475) U10(-2.275,-6.825) U11(-2.275,-6.175) U12(-2.275,-5.525) U13(-2.275,-4.875) U14(-2.275,-4.225) U15(-2.275,-3.575) U16(-2.275,-2.925) U17(-2.275,-2.275) U18(-2.275,-1.625) U19(-2.275,-0.975) U20(-2.275,-0.325) U21(-2.275,0.325) U22(-2.275,0.975) U23(-2.275,1.625) U24(-2.275,2.275) U25(-2.275,2.925) U26(-2.275,3.575) U27(-2.275,4.225) U28(-2.275,4.875) U29(-2.275,5.525) U30(-2.275,6.175) U31(-2.275,6.825) U32(-2.275,7.475) U33(-2.275,8.125) U34(-2.275,8.775) U35(-2.275,9.425) U36(-2.275,10.075) U37(-2.275,10.725) U38(-2.275,11.375) U39(-2.275,12.025) U40(-2.275,12.675) V1(-1.625,-12.675) V2(-1.625,-12.025) V3(-1.625,-11.375) V4(-1.625,-10.725) V5(-1.625,-10.075) V6(-1.625,-9.425) V7(-1.625,-8.775) V8(-1.625,-8.125) V9(-1.625,-7.475) V10(-1.625,-6.825) V11(-1.625,-6.175) V12(-1.625,-5.525) V13(-1.625,-4.875) V14(-1.625,-4.225) V15(-1.625,-3.575) V16(-1.625,-2.925) V17(-1.625,-2.275) V18(-1.625,-1.625) V19(-1.625,-0.975) V20(-1.625,-0.325) V21(-1.625,0.325) V22(-1.625,0.975) V23(-1.625,1.625) V24(-1.625,2.275) V25(-1.625,2.925) V26(-1.625,3.575) V27(-1.625,4.225) V28(-1.625,4.875) V29(-1.625,5.525) V30(-1.625,6.175) V31(-1.625,6.825) V32(-1.625,7.475) V33(-1.625,8.125) V34(-1.625,8.775) V35(-1.625,9.425) V36(-1.625,10.075) V37(-1.625,10.725) V38(-1.625,11.375) V39(-1.625,12.025) V40(-1.625,12.675) W1(-0.975,-12.675) W2(-0.975,-12.025) W8(-0.975,-8.125) W9(-0.975,-7.475) W10(-0.975,-6.825) W11(-0.975,-6.175) W12(-0.975,-5.525) W13(-0.975,-4.875) W14(-0.975,-4.225) W15(-0.975,-3.575) W16(-0.975,-2.925) W17(-0.975,-2.275) W18(-0.975,-1.625) W19(-0.975,-0.975) W20(-0.975,-0.325) W21(-0.975,0.325) W22(-0.975,0.975) W23(-0.975,1.625) W24(-0.975,2.275) W26(-0.975,3.575) W27(-0.975,4.225) W29(-0.975,5.525) W30(-0.975,6.175) W32(-0.975,7.475) W33(-0.975,8.125) W39(-0.975,12.025) W40(-0.975,12.675) Y1(-0.325,-12.675) Y2(-0.325,-12.025) Y3(-0.325,-11.375) Y4(-0.325,-10.725) Y5(-0.325,-10.075) Y6(-0.325,-9.425) Y7(-0.325,-8.775) Y8(-0.325,-8.125) Y9(-0.325,-7.475) Y10(-0.325,-6.825) Y11(-0.325,-6.175) Y12(-0.325,-5.525) Y13(-0.325,-4.875) Y14(-0.325,-4.225) Y15(-0.325,-3.575) Y16(-0.325,-2.925) Y17(-0.325,-2.275) Y18(-0.325,-1.625) Y19(-0.325,-0.975) Y20(-0.325,-0.325) Y21(-0.325,0.325) Y22(-0.325,0.975) Y23(-0.325,1.625) Y24(-0.325,2.275) Y25(-0.325,2.925) Y26(-0.325,3.575) Y27(-0.325,4.225) Y28(-0.325,4.875) Y29(-0.325,5.525) Y30(-0.325,6.175) Y31(-0.325,6.825) Y32(-0.325,7.475) Y33(-0.325,8.125) Y34(-0.325,8.775) Y35(-0.325,9.425) Y36(-0.325,10.075) Y37(-0.325,10.725) Y38(-0.325,11.375) Y39(-0.325,12.025) Y40(-0.325,12.675)
C0201
  rect 0.249x0.3 smd: 1(-0.274,0) 2(0.274,0)
C0402
  rect 0.551x0.551 smd: 1(-0.45,0) 2(0.45,0)
C0603
  rect 0.8x0.899 smd: 1(-0.701,0) 2(0.701,0)
C0805
  rect 0.95x1.3 smd: 1(-0.825,0) 2(0.825,0)
C1206
  rect 1.4x1.6 smd: 1(-1.168,0) 2(1.168,0)
CNN30_1R00_FP05SL_V
  rect 0.5x0.899 smd: 1(-7.5,-1.25) 2(-7,1.25) 3(-6.5,-1.25) 4(-6,1.25) 5(-5.5,-1.25) 6(-5,1.25) 7(-4.5,-1.25) 8(-4,1.25) 9(-3.5,-1.25) 10(-3,1.25) 11(-2.5,-1.25) 12(-2,1.25) 13(-1.5,-1.25) 14(-1,1.25) 15(-0.5,-1.25) 16(0,1.25) 17(0.5,-1.25) 18(1,1.25) 19(1.5,-1.25) 20(2,1.25) 21(2.5,-1.25) 22(3,1.25) 23(3.5,-1.25) 24(4,1.25) 25(4.5,-1.25) 26(5,1.25) 27(5.5,-1.25) 28(6,1.25) 29(6.5,-1.25) 30(7,1.25)
  rect 1.999x1.999 smd: 31(-9.7,0) 32(9.7,0)
CON2_1X2_5R08_DIP
  round 1.801 hole 1.001: 1(0,0) 2(5.08,-0.016)
CON2M_1X2_2R00_V_P_DIP
  rect 1.45x1.45 hole 0.851: 1(0,0)
  round 1.45 hole 0.851: 2(2,0)
CON3M_1X3_2R54_V_DIP
  oval 1.801x1.999 hole 1.001: 1(0,0) 2(2.54,0) 3(5.08,0)
CON30M_2X15_0R40_V_SMT
  rect 0.231x0.919 smd: 1(2.8,1.64) 2(2.4,1.64) 3(2,1.64) 4(1.6,1.64) 5(1.2,1.64) 6(0.8,1.64) 7(0.4,1.64) 8(0,1.64) 9(-0.4,1.64) 10(-0.8,1.64) 11(-1.2,1.64) 12(-1.6,1.64) 13(-2,1.64) 14(-2.4,1.64) 15(-2.8,1.64) 16(-2.8,-1.64) 17(-2.4,-1.64) 18(-2,-1.64) 19(-1.6,-1.64) 20(-1.2,-1.64) 21(-0.8,-1.64) 22(-0.4,-1.64) 23(0,-1.64) 24(0.4,-1.64) 25(0.8,-1.64) 26(1.2,-1.64) 27(1.6,-1.64) 28(2,-1.64) 29(2.4,-1.64) 30(2.8,-1.64)
  rect 0.701x1.199 smd: 31(3.7,1.5) 32(3.7,-1.5) 33(-3.7,-1.5) 34(-3.7,1.5)
CRY2_6R90X1R40X1R30
  rect 1.199x0.599 smd: 1(-3.449,-0.46) 2(-3.449,0.439)
  rect 1.199x1.501 smd: 3(2.85,0)
CRY4_3R20X2R50X0R80
  rect 1.4x1.199 smd: 1(-1.1,-0.85) 2(1.1,-0.85) 3(1.1,0.85) 4(-1.1,0.85)
DC3_DC_0007_5P
  round 2.2 hole 2.2 unplated: (4.1,0)
  oval 3.5x1.801 hole 1.999x0.8: 1(10.3,-3.2) 2(10.3,0) 3(10.3,5.2)
  oval 3.5x1.501 hole 1.999x0.599: 4(3,6.1) 5(3,-3.7)
DFN9L_3R00X3R00X0R80
  rect 0.45x0.45 smd: 1(-1.47,0.975) 2(-1.47,0.325) 3(-1.47,-0.325) 5(1.47,-0.975) 6(1.47,-0.325) 7(1.47,0.325) 8(1.47,0.975)
  custom 1.311x2.449 smd: 4(-0.635,-0.635)
  rect 1.036x2.45 smd: 9(0.435,0)
E_C6
  rect 0.8x2.6 smd: 1(0,-2.35) 2(0,2.35)
E_E7
  rect 2.9x0.8 smd: 1(-3.05,0) 2(3.05,0)
ESD0402
  custom 0.869x0.638 smd: 1(-0.635,-0.02)
  custom 0.859x0.638 smd: 2(0.622,0)
FBGA178_13R00X11R50X1R20
  round 0.3 smd: A1(-4.801,5.199) A2(-4,5.199) A3(-3.2,5.199) A4(-2.4,5.199) A5(-1.6,5.199) A6(-0.8,5.199) A8(0.8,5.199) A9(1.6,5.199) A10(2.4,5.199) A11(3.2,5.199) A12(4,5.199) A13(4.801,5.199) B1(-4.801,4.549) B2(-4,4.549) B3(-3.2,4.549) B4(-2.4,4.549) B5(-1.6,4.549) B6(-0.8,4.549) B8(0.8,4.549) B9(1.6,4.549) B10(2.4,4.549) B11(3.2,4.549) B12(4,4.549) B13(4.801,4.549) C2(-4,3.899) C3(-3.2,3.899) C4(-2.4,3.899) C5(-1.6,3.899) C6(-0.8,3.899) C8(0.8,3.899) C9(1.6,3.899) C10(2.4,3.899) C11(3.2,3.899) C12(4,3.899) D2(-4,3.251) D3(-3.2,3.251) D4(-2.4,3.251) D5(-1.6,3.251) D6(-0.8,3.251) D8(0.8,3.251) D9(1.6,3.251) D10(2.4,3.251) D11(3.2,3.251) D12(4,3.251) E2(-4,2.601) E3(-3.2,2.601) E4(-2.4,2.601) E5(-1.6,2.601) E6(-0.8,2.601) E8(0.8,2.601) E9(1.6,2.601) E10(2.4,2.601) E11(3.2,2.601) E12(4,2.601) F2(-4,1.951) F3(-3.2,1.951) F4(-2.4,1.951) F5(-1.6,1.951) F6(-0.8,1.951) F8(0.8,1.951) F9(1.6,1.951) F10(2.4,1.951) F11(3.2,1.951) F12(4,1.951) G2(-4,1.3) G3(-3.2,1.3) G4(-2.4,1.3) G5(-1.6,1.3) G6(-0.8,1.3) G8(0.8,1.3) G9(1.6,1.3) G10(2.4,1.3) G11(3.2,1.3) G12(4,1.3) H2(-4,0.65) H3(-3.2,0.65) H4(-2.4,0.65) H5(-1.6,0.65) H6(-0.8,0.65) H8(0.8,0.65) H9(1.6,0.65) H10(2.4,0.65) H11(3.2,0.65) H12(4,0.65) J2(-4,0) J3(-3.2,0) J4(-2.4,0) J5(-1.6,0) J6(-0.8,0) J8(0.8,0) J9(1.6,0) J10(2.4,0) J11(3.2,0) J12(4,0) K2(-4,-0.65) K3(-3.2,-0.65) K4(-2.4,-0.65) K5(-1.6,-0.65) K6(-0.8,-0.65) K8(0.8,-0.65) K9(1.6,-0.65) K10(2.4,-0.65) K11(3.2,-0.65) K12(4,-0.65) L2(-4,-1.3) L3(-3.2,-1.3) L4(-2.4,-1.3) L5(-1.6,-1.3) L6(-0.8,-1.3) L8(0.8,-1.3) L9(1.6,-1.3) L10(2.4,-1.3) L11(3.2,-1.3) L12(4,-1.3) M2(-4,-1.951) M3(-3.2,-1.951) M4(-2.4,-1.951) M5(-1.6,-1.951) M6(-0.8,-1.951) M8(0.8,-1.951) M9(1.6,-1.951) M10(2.4,-1.951) M11(3.2,-1.951) M12(4,-1.951) N2(-4,-2.601) N3(-3.2,-2.601) N4(-2.4,-2.601) N5(-1.6,-2.601) N6(-0.8,-2.601) N8(0.8,-2.601) N9(1.6,-2.601) N10(2.4,-2.601) N11(3.2,-2.601) N12(4,-2.601) P2(-4,-3.251) P3(-3.2,-3.251) P4(-2.4,-3.251) P5(-1.6,-3.251) P6(-0.8,-3.251) P8(0.8,-3.251) P9(1.6,-3.251) P10(2.4,-3.251) P11(3.2,-3.251) P12(4,-3.251) R2(-4,-3.899) R3(-3.2,-3.899) R4(-2.4,-3.899) R5(-1.6,-3.899) R6(-0.8,-3.899) R8(0.8,-3.899) R9(1.6,-3.899) R10(2.4,-3.899) R11(3.2,-3.899) R12(4,-3.899) T1(-4.801,-4.549) T2(-4,-4.549) T3(-3.2,-4.549) T4(-2.4,-4.549) T5(-1.6,-4.549) T6(-0.8,-4.549) T8(0.8,-4.549) T9(1.6,-4.549) T10(2.4,-4.549) T11(3.2,-4.549) T12(4,-4.549) T13(4.801,-4.549) U1(-4.801,-5.199) U2(-4,-5.199) U3(-3.2,-5.199) U4(-2.4,-5.199) U5(-1.6,-5.199) U6(-0.8,-5.199) U8(0.8,-5.199) U9(1.6,-5.199) U10(2.4,-5.199) U11(3.2,-5.199) U12(4,-5.199) U13(4.801,-5.199)
